# KiCad board V1.1_XT30_version.kicad_pcb (continued)
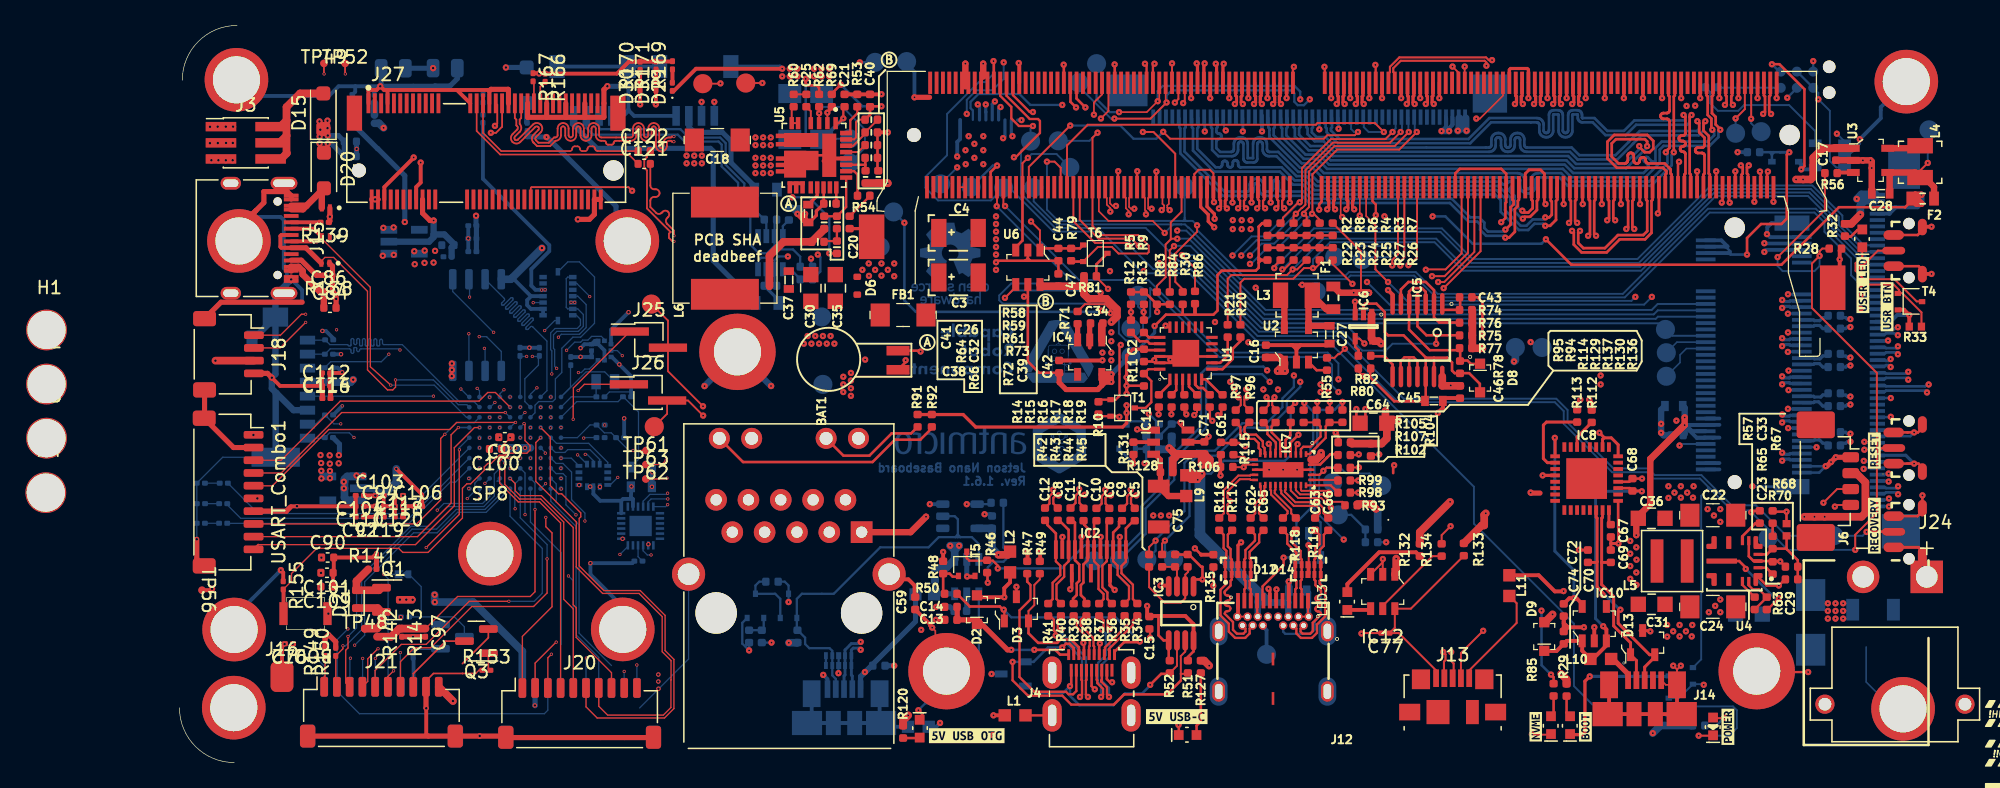
[diagram p0: board, top side]
## Routing (per net, layer and track width the routed paths; a pad name or vN(x,y) marks a point on that pad's centre or on a via; arc(x,y) is an arc through that point) (continued)
/NextPx4/SDMMC1_CK: length 15.3
  In3_SIGNAL.Cu w0.1: v4(24.37,27.12) 24.37,27.55 24.01,27.92 21.92,27.92 21.05,28.79 v4(19.95,28.79)
  Bottom w0.1: v4(19.95,28.79) J23.5
/NextPx4/SDMMC1_CMD: length 18.2
  In3_SIGNAL.Cu w0.1: v4(25.17,27.93) 25.17,28.43 23.78,29.82 21,29.82 17.98,32.84 17.15,32.84 16.45,32.14 v4(16.45,32.08)
  Bottom w0.1: v4(16.45,32.08) 15.86,31.49 11.88,31.49 R163.1 11.38,30.99 J23.3
/NextPx4/SDMMC1_D0: length 18.9
  In3_SIGNAL.Cu w0.1: v4(23.57,24.72) 23.24,25.05 23.24,25.09 16.55,25.09 arc(16.47,25.05) 16.44,24.97 16.44,24.74 arc(16.4,24.66) 16.33,24.63 arc(16.25,24.66) 16.21,24.74 16.21,24.97 arc(16.18,25.05) 16.1,25.09 arc(16.02,25.05) 15.99,24.97 15.99,24.74 arc(15.95,24.66) 15.88,24.63 arc(15.8,24.66) 15.76,24.74 15.76,24.97 arc(15.73,25.05) 15.65,25.09 arc(15.57,25.05) 15.54,24.97 15.54,24.74 arc(15.5,24.66) 15.43,24.63 arc(15.35,24.66) 15.31,24.74 15.31,24.97 arc(15.28,25.05) 15.2,25.09 arc(15.12,25.05) 15.09,24.97 15.09,24.74 arc(15.05,24.66) 14.98,24.63 arc(14.9,24.66) 14.86,24.74 14.86,24.97 arc(14.83,25.05) 14.75,25.09 arc(14.67,25.05) 14.64,24.97 14.64,24.74 arc(14.6,24.66) 14.53,24.63 arc(14.45,24.66) 14.41,24.74 14.41,24.97 arc(14.38,25.05) 14.3,25.09 13.56,25.09 12.67,25.98 v4(12.67,26.61)
  Bottom w0.1: J23.7 10.71,26.59 R164.1 12.13,26.61 v4(12.67,26.61)
/NextPx4/SDMMC1_D1: length 18.2
  In3_SIGNAL.Cu w0.1: v4(13.71,25.54) 13.94,25.31 17,25.31 arc(17.08,25.34) 17.11,25.42 17.11,25.65 arc(17.15,25.73) 17.23,25.76 arc(17.3,25.73) 17.34,25.65 17.34,25.42 arc(17.37,25.34) 17.45,25.31 arc(17.53,25.34) 17.56,25.42 17.56,25.65 arc(17.6,25.73) 17.68,25.76 arc(17.75,25.73) 17.79,25.65 17.79,25.42 arc(17.82,25.34) 17.9,25.31 arc(17.98,25.34) 18.01,25.42 18.01,25.65 arc(18.05,25.73) 18.12,25.76 arc(18.2,25.73) 18.24,25.65 18.24,25.42 arc(18.27,25.34) 18.35,25.31 arc(18.43,25.34) 18.46,25.42 18.46,25.65 arc(18.5,25.73) 18.58,25.76 arc(18.65,25.73) 18.69,25.65 18.69,25.42 arc(18.72,25.34) 18.8,25.31 arc(18.88,25.34) 18.91,25.42 18.91,25.65 arc(18.95,25.73) 19.03,25.76 arc(19.1,25.73) 19.14,25.65 19.14,25.42 arc(19.17,25.34) 19.25,25.31 arc(19.33,25.34) 19.36,25.42 19.36,25.65 arc(19.4,25.73) 19.48,25.76 arc(19.55,25.73) 19.59,25.65 19.59,25.42 arc(19.62,25.34) 19.7,25.31 23.39,25.31 v4(23.57,25.5)
  Bottom w0.1: J23.8 11.38,25.49 R165.1 11.8,25.91 13.35,25.91 v4(13.71,25.54)
/NextPx4/SDMMC1_D2: length 21.3
  Bottom w0.1: U22.B9 23.15,28.34 22,28.34 17.51,32.84 16.06,32.84 arc(15.98,32.87) 15.95,32.95 15.95,33.14 arc(15.92,33.22) 15.84,33.26 arc(15.76,33.22) 15.73,33.14 15.73,32.79 arc(15.71,32.75) 15.68,32.74 15.55,32.74 arc(15.51,32.75) 15.5,32.79 15.5,33.18 arc(15.47,33.26) 15.39,33.3 arc(15.31,33.26) 15.28,33.18 15.28,32.79 arc(15.26,32.75) 15.23,32.74 15.1,32.74 arc(15.06,32.75) 15.05,32.79 15.05,33.19 arc(15.02,33.27) 14.94,33.31 arc(14.86,33.27) 14.83,33.19 14.83,32.79 arc(14.81,32.75) 14.78,32.74 14.65,32.74 arc(14.61,32.75) 14.6,32.79 14.6,33.2 arc(14.57,33.28) 14.49,33.31 arc(14.41,33.28) 14.38,33.2 14.38,32.79 arc(14.36,32.75) 14.33,32.74 14.2,32.74 arc(14.16,32.75) 14.15,32.79 14.15,33.2 arc(14.12,33.28) 14.04,33.31 arc(13.96,33.28) 13.93,33.2 13.93,32.95 arc(13.89,32.87) 13.81,32.84 arc(13.73,32.87) 13.7,32.95 13.7,33.2 arc(13.67,33.28) 13.59,33.31 arc(13.51,33.28) 13.48,33.2 13.48,32.79 arc(13.46,32.75) 13.43,32.74 13.3,32.74 arc(13.26,32.75) 13.25,32.79 arc(13.24,32.82) 13.2,32.84 11.82,32.84 R161.1 11.42,33.19 J23.1
/NextPx4/SDMMC1_D3: length 18.2
  In3_SIGNAL.Cu w0.1: v4(24.78,28.29) 22.13,28.29 18.01,32.41 v4(17.32,32.41)
  Bottom w0.1: v4(17.32,32.41) 17.23,32.51 14.26,32.51 arc(14.18,32.47) 14.15,32.4 arc(14.12,32.32) 14.04,32.29 14.03,32.29 arc(13.95,32.32) 13.92,32.4 13.92,32.56 arc(13.91,32.59) 13.87,32.61 13.75,32.61 arc(13.71,32.59) 13.7,32.56 13.7,32.26 arc(13.66,32.18) 13.59,32.14 arc(13.51,32.18) 13.47,32.26 13.47,32.39 arc(13.44,32.47) 13.36,32.51 11.85,32.51 R162.1 11.41,32.09 J23.2 ; U22.B8 24.41,27.92 v4(24.78,28.29)
/NextPx4/SPI1_MISO: length 12.8
  In3_SIGNAL.Cu w0.1: v4(28.37,22.32) 28.37,21.63 29.93,20.08 31.78,20.08 35.55,16.31 v4(37.05,16.31)
  Bottom w0.1: v4(37.05,16.31) 36.75,16.31 36.43,16.64 U26.9
/NextPx4/SPI1_MOSI: length 12.2
  In3_SIGNAL.Cu w0.1: v4(28.76,21.91) 28.76,21.56 30.02,20.3 38.31,20.3 v4(38.35,20.26)
  Bottom w0.1: U26.24 38.2,20.11 v4(38.35,20.26) ; U22.K3 v4(28.76,21.91)
/NextPx4/SPI1_SCK: length 13.4
  In3_SIGNAL.Cu w0.1: v4(38.36,20.71) 30.18,20.71 29.14,21.75 29.14,22.36 v4(28.37,23.12)
  Bottom w0.1: U26.23 36.83,20.49 37.05,20.71 v4(38.36,20.71)
/NextPx4/SPI2_MISO: length 5.6
  Bottom w0.1: U22.E2 29.61,25.08 32.15,25.08 33.65,23.59 U24.1
/NextPx4/SPI2_MOSI: length 4.8
  Bottom w0.1: U24.14 33.02,23.81 32.24,24.59 30.5,24.59 30.28,24.36 29.53,24.36 U22.F2
/NextPx4/SPI2_SCK: length 10
  In3_SIGNAL.Cu w0.1: 31.94,24.21 v4(31.88,24.21) 31.77,24.21 31.44,24.55 31.12,24.55 30.97,24.39 30.19,24.39 30.14,24.35 29.24,24.35 28.48,25.1 25.87,25.1 25.54,25.44 25.54,26.76 v4(25.17,27.12)
  Bottom w0.1: U24.13 32.52,23.72 32.02,24.21 v4(31.88,24.21)
/NextPx4/SPI3_MISO: length 15.3
  In3_SIGNAL.Cu w0.1: v4(25.97,28.72) 28.16,30.91 29.56,30.91 v4(29.63,30.97)
  Bottom w0.1: 30.89,38.14 30.5,38.14 30.38,38.02 30.38,35.76 30.5,35.64 31.29,35.64 31.73,35.21 31.73,34.27 31.33,33.88 29.65,33.88 29.39,33.61 29.39,32.53 29.48,32.44 29.48,31.13 v4(29.63,30.97)
/NextPx4/SPI3_MOSI: length 11.9
  In3_SIGNAL.Cu w0.1: v4(29.25,30.53) 29.25,30.52 28.55,29.82 27.92,29.82 27.15,29.04 v4(27.14,27.5) 27.15,27.5
  Bottom w0.1: v4(27.14,27.5) 26.77,27.13 U22.C5 ; 30.89,35.14 31.18,35.14 31.5,34.82 31.5,34.36 31.24,34.1 29.5,34.1 29.16,33.76 29.16,32.44 29.25,32.35 v4(29.25,30.53)
/NextPx4/SPI3_SCK: length 9
  In3_SIGNAL.Cu w0.1: v4(28.69,33.94) 26.97,33.94 26.05,33.02 26.05,29.85 v4(25.49,29.29)
  Bottom w0.1: v4(28.69,33.94) 29.48,34.73 U25.8 ; U22.A7 25.17,28.97 v4(25.49,29.29)
/NextPx4/SPI4_MISO: length 37.4
  Top w0.1: J20.6 31.94,4.38 32.81,3.5 38.1,3.5 38.84,4.24 38.84,8.1 38.15,8.8 38.15,11.56 36.2,13.51 33.34,13.51 31.41,15.45 31.41,19.18 31.53,19.3 31.53,19.62 30.03,21.11 29.78,21.11 29.14,21.75 29.14,25.56 v4(28.37,26.32)
/NextPx4/SPI4_MOSI: length 35.1
  Top w0.1: J20.7 32.94,4.43 33.64,3.73 38.01,3.73 38.61,4.33 38.61,6.49 38.62,6.5 38.62,8.01 37.92,8.71 37.92,11.47 36.11,13.29 33.25,13.29 31.18,15.35 31.18,18.9 28,22.08 28,25.15 v4(28.37,25.52)
/NextPx4/SPI4_SCK: length 20.7
  Top w0.1: v4(25.97,22.32) 26.38,21.91 26.38,21.35 26.76,20.97 28.43,20.97 30.94,18.47 30.94,12.4 31.17,12.17 31.17,9.84 33.94,7.06 J20.8
/NextPx4/SWDIO: length 27.4
  Top w0.1: v4(38.31,22.35) 38.24,22.28 TP62.1
  In5_3V3_SYS_SIGNAL.Cu w0.1: v4(38.31,22.35) 38.89,22.93 38.89,29.68 38.52,30.04 22.8,30.04 v4(22.11,29.35)
  Bottom w0.1: U22.A10 22.73,28.72 v4(22.11,29.35)
/NextPx4/UART4_RX: length 35.5
  Top w0.1: J26.1 31.81,29.72 v4(31.32,29.23) ; J18.2 7.91,32.58 v4(9.91,34.58)
  In3_SIGNAL.Cu w0.1: v4(24.38,26.31) 23.99,25.92 21.68,25.92 13.01,34.59 9.92,34.59 v4(9.91,34.58)
  In5_3V3_SYS_SIGNAL.Cu w0.1: v4(24.38,26.31) 24.77,26.7 25.84,26.7 26.27,27.13 27.74,27.13 28.15,27.54 29.62,27.54 v4(31.32,29.23)
/NextPx4/UART4_TX: length 40.4
  Top w0.1: J25.1 30.95,29.43 30.95,28 30.93,27.98 v4(30.93,26.97) ; J18.1 7.88,33.58 7.91,33.55 9.58,35.22 v4(9.91,35.22)
  In3_SIGNAL.Cu w0.1: v4(9.91,35.22) 12.71,35.22 20.42,27.51 23.17,27.51 24,26.69 24.54,26.69 24.76,26.47 24.76,25.91 v4(24.37,25.52)
  In5_3V3_SYS_SIGNAL.Cu w0.1: v4(30.93,26.97) 30.93,26.76 30.09,25.92 24.77,25.92 v4(24.37,25.52)
/NextPx4/UART5_RX: length 21.4
  In3_SIGNAL.Cu w0.1: v4(16.05,14.79) 16.05,16.02 18.76,18.73 19.15,18.73 v4(20.25,19.83)
  Bottom w0.1: v4(20.25,19.83) 20.77,20.35 23.81,20.35 24.37,20.91 U22.K8 ; U23.2 v4(16.05,14.79) 16.39,14.45 16.39,6.74
/NextPx4/UART5_TX: length 28.9
  In3_SIGNAL.Cu w0.1: v4(24,21.94) 24,20.58 24.2,20.38 28.3,20.38 29.32,19.36 29.32,14.52 23.62,8.82 17.53,8.82 v4(17.35,8.64)
  Bottom w0.1: 24.37,22.31 v4(24,21.94) ; v4(17.35,8.64) 17.35,6.77
  Bottom w0.125: U22.J8 24.37,22.31 ; 17.35,6 J17.4
/NextPx4/UART7_RX: length 27.3
  In3_SIGNAL.Cu w0.1: v4(27.15,19.48) 28.17,18.46 28.17,14.12 23.47,9.43 18.16,9.43 18.06,9.53 15.74,9.53 v4(14.39,8.18)
  Bottom w0.1: 14.39,8.18 14.39,6.74 ; 27.14,19.48 27.14,22.75 U22.H5
  Bottom w0.125: v4(14.39,8.18) 14.39,8.18 ; v4(27.15,19.48) 27.14,19.48
/NextPx4/UART7_TX: length 26.8
  In3_SIGNAL.Cu w0.1: v4(15.39,8.18) 16.32,9.11 23.51,9.11 28.42,14.02 28.42,18.84 27.32,19.94 v4(26.37,19.94)
  Bottom w0.1: U22.J5 26.34,21.89 26.34,19.97 ; 15.39,6.74 15.39,8.18
  Bottom w0.125: v4(26.37,19.94) 26.34,19.97 ; 15.39,8.18 v4(15.39,8.18)
/NextPx4/USART1_CK: length 24.4
  Top w0.1: 6.19,17.12 18.54,17.12 21.59,20.17 21.59,24.74 23.17,26.32 v4(23.58,26.32)
  Top w0.15: USART_Combo1.10 6.19,17.12
  Bottom w0.125: 23.57,26.34 v4(23.58,26.32) U22.D9
/NextPx4/USART1_RX: length 23.6
  Top w0.1: USART_Combo1.9 18.7,17.75 21.34,20.39 21.34,25.75 v4(21.91,26.32)
  Bottom w0.125: v4(21.91,26.32) 21.91,26.32 U22.D10
/NextPx4/USART1_TX: length 24.1
  Top w0.1: USART_Combo1.8 18.64,18.75 20.52,20.63 20.52,25.46 v4(20.85,25.79)
  Bottom w0.1: v4(20.85,25.79) 21.75,26.7 23.15,26.7 U22.C9
  Bottom w0.125: U22.C9 23.57,27.14
/NextPx4/USART2_CK: length 23.2
  Top w0.1: v4(26.4,26.72) 21.78,26.72 21.22,26.17 11.73,26.17 7.3,21.74 6.06,21.74 6.05,21.75 USART_Combo1.5
  Bottom w0.1: U22.D6 26.37,26.72 v4(26.4,26.72)
/NextPx4/USART2_RX: length 22.3
  Top w0.1: v4(25.6,27.5) 12.74,27.5 7.99,22.75 USART_Combo1.4
  Bottom w0.1: U22.C6 v4(25.6,27.5)
/NextPx4/USART2_TX: length 22.8
  Top w0.1: USART_Combo1.3 7.99,23.75 12.63,28.4 23.53,28.4 24.21,29.08 24.82,29.08 v4(25.97,27.92)
/NextPx4/USART3_CK: length 24.7
  In3_SIGNAL.Cu w0.1: 15.31,16.84 19.6,21.13 22.89,21.13 23.17,21.41 23.17,22.72 v4(23.57,23.12) ; 15.05,16.58 15.05,12.94 12.79,10.68 12.79,10.38 v4(10.68,8.27)
  In3_SIGNAL.Cu w0.125: 15.31,16.84 15.31,16.84 15.05,16.58
  Bottom w0.1: v4(10.68,8.27) 11.39,7.56 11.39,6.79
  Bottom w0.125: J17.10 11.39,6.79
/NextPx4/USART3_RX: length 41
  In3_SIGNAL.Cu w0.1: v4(22.61,20.74) 20.42,20.74 15.53,15.85 15.53,12.8 v4(13.23,10.5)
  Bottom w0.1: v4(22.61,20.74) 23.2,21.33 23.2,21.95 U22.J9 ; v4(13.23,10.5) 12.39,9.66 12.39,6.74 ; J17.9 12.39,5.59 14.14,3.84 28.66,3.84 28.94,4.11 J19.8
/NextPx4/USART3_TX: length 19.6
  In3_SIGNAL.Cu w0.1: v4(13.43,8.2) 16.72,11.49 16.72,14.87 21.7,19.85 22.78,19.85 23.57,20.64
  In3_SIGNAL.Cu w0.125: v4(23.57,20.74) 23.57,20.64
  Bottom w0.1: v4(23.57,20.74) U22.K9 ; 13.39,6.74 13.39,8.16
  Bottom w0.125: 13.39,8.16 v4(13.43,8.2)
/NextPx4/USB_OTG_FS_DM: length 26.4
  Top w0.1: v4(16.6,29.65) 15,31.1 15,37.34 11.17,41.16 D17.2
  Top w0.3: J15.A7 10.81,40.94 D17.2 10.54,41.94 J15.B7
  Bottom w0.1: U22.C10 22.55,27.12 20.02,29.65 v4(16.6,29.65)
/NextPx4/USB_OTG_FS_DP: length 26.9
  Top w0.1: v4(16.97,30.06) 16.98,30.06 16.98,29.49 16.76,29.28 16.35,29.28 14.77,30.85 14.77,37.02 12.11,39.68 11.42,39.68 11.15,39.41 D19.2
  Top w0.3: J15.B6 8,40.44 7.93,40.52 7.93,41.37 8,41.44 J15.A6
  Top w0.4: D19.2 9.93,40.44 J15.B6
  Bottom w0.1: U22.B10 22.58,28.12 21.91,28.12 20.3,29.72 20.29,29.72 19.95,30.06 v4(16.97,30.06)
/SoM/PMIC_BBAT: length 29.8
  Top w0.18: v1(65.56,47.55) 65.69,47.55 67.6,49.46 67.6,50.41 67.45,50.56 66.8,50.56 64.98,52.38 M1.235
  Top w0.2: v1(58.22,32.29) 58.15,32.36 BAT1.+
  In3_SIGNAL.Cu w0.2: v1(58.22,32.29) 60.63,32.29 61.85,33.51 61.85,42.51 65.56,46.22 v1(65.56,47.55)
/Supply/\~{PWR_SET}: length 2.9
  Top w0.2: IC5.1 99.21,35.56 100.61,35.56 100.61,36.56
/Supply/FAN_PMW_5V: length 81.4
  Top w0.15: v1(130.05,20.11) 130.18,20.24 J6.4 ; v1(64.85,36.51) 65.7,37.36 U6.4
  In3_SIGNAL.Cu w0.15: v1(111.65,29.71) 112.25,29.11 118.15,29.11 127.4,19.86 129.8,19.86 v1(130.05,20.11)
  In5_3V3_SYS_SIGNAL.Cu w0.125: v1(111.65,29.71) 107.15,34.21 90.55,34.21 90,34.76 90,39.26 88.65,40.61 82.35,40.61 78.3,36.56 72.72,36.56 v1(72.37,36.91)
  Bottom w0.15: v1(72.37,36.91) 72.19,37.09 65.43,37.09 v1(64.85,36.51)
/Supply/FAN_TACH_5V: length 75
  Top w0.15: J6.3 130.23,21.49 v1(129.15,20.41) ; v1(72.95,37.21) 72.03,38.13 R81.1
  Top w0.2: R81.1 72.03,39.15 T6.3
  In3_SIGNAL.Cu w0.15: v1(129.15,20.41) 127.35,20.41 118.35,29.41 112.65,29.41 v1(111.65,30.41)
  In5_3V3_SYS_SIGNAL.Cu w0.125: v1(72.95,37.21) 78.4,37.21 82.1,40.91 88.75,40.91 90.3,39.36 90.3,34.91 90.7,34.51 107.25,34.51 111.35,30.41 v1(111.65,30.41)
/Supply/Q: length 12.9
  Top w0.2: IC5.3 97.91,36.98 97.61,37.27 96.88,37.27 96.6,36.99 96.6,36.04 IC5.5 96.6,36.02 96.6,34.02 98.22,32.4 100.44,32.4 100.61,32.57 100.61,31.58 100.64,31.55 100.66,31.58 101.19,31.58 101.46,31.32 102.16,31.32
/Supply/QDEL: length 24.9
  Top w0.2: 97.91,31.82 96.17,33.56 94.95,33.56 94.69,33.82 94.69,35.39 94.03,36.05 93.17,36.05 93.02,35.9 IC6.2 ; 97.91,31.82 IC5.12 97.91,28.65 97.64,28.38 95.43,28.38 93.55,30.26 93.55,30.87 93.57,30.9 ; 97.91,31.82 97.92,31.81 98.56,31.81 ; IC5.13 98.56,31.81 ; 98.56,31.81 99.6,31.81 99.98,31.43 99.98,30.79 100.18,30.59 101.32,30.59 102.16,29.75 102.16,29.21
/Supply/VDRV_5V_DCDC: length 1.6
  Top w0.25: 49.4,43.84 50.1,44.54 50.1,45.19
/USB/C_CC1: length 21.8
  Top w0.18: v1(90.37,28.33) 90.37,27.71 90.35,27.68 ; v1(88.37,28.25) 88.37,27.73 88.32,27.68 ; J12.A5 85.09,12.78 85.09,13.84 86.74,15.49 v1(86.74,16.1)
  In2.Cu w0.18: v1(90.37,28.33) 89.75,27.7 88.92,27.7 v1(88.37,28.25)
  Bottom w0.18: v1(86.74,16.1) 86.75,16.11 D11.2 87.75,18.86 88.85,19.96 88.85,24.72 89.07,24.94 89.07,27.55 v1(88.37,28.25)
/USB/C_CC2: length 25.5
  Top w0.2: v1(89.38,28.33) 89.38,27.73 89.33,27.68 ; 91.36,27.69 v1(91.36,28.33)
  Bottom w0.18: 89.42,19.09 89.65,18.86 D11.1 89.65,11.56 89.2,11.11 89.2,10.46 88.85,10.11 86.87,10.11 86.71,10.27 J12.B5
  Bottom w0.2: 89.64,27.7 90.74,27.7 v1(91.36,28.33) ; 89.64,27.7 89.51,27.7 89.38,27.58 ; 89.64,27.7 89.52,27.7 89.38,27.84 ; 89.38,27.84 v1(89.38,28.33) ; 89.38,27.84 89.38,27.58 ; 89.38,27.58 89.38,24.81 89.16,24.59 89.16,19.35 89.42,19.09
/USB/C_USBSS_RX1_N: length 11.4
  Top w0.182: J12.B10 84.08,10.53 84.08,10.14 83.73,9.79 82.93,9.79 82.43,10.29 82.43,10.91 81.78,11.56 81.78,13.58 82.24,14.04 82.24,14.28 82.16,14.36 82.16,15.96 82.24,16.04 82.24,16.63 82.03,16.85 82.03,17.9 R116.2
/USB/C_USBSS_RX1_P: length 11.4
  Top w0.182: J12.B11 83.74,10.53 83.74,10.28 83.59,10.13 83.07,10.13 82.77,10.43 82.77,11.04 82.12,11.69 arc(82.18,11.84) 82.32,11.9 82.36,11.9 arc(82.51,11.96) 82.57,12.1 arc(82.51,12.24) 82.36,12.3 82.32,12.3 arc(82.18,12.36) 82.12,12.51 arc(82.18,12.65) 82.32,12.71 82.36,12.71 arc(82.51,12.77) 82.57,12.91 arc(82.51,13.06) 82.36,13.12 82.32,13.12 arc(82.18,13.18) 82.12,13.32 82.12,13.44 82.58,13.9 82.58,14.28 82.66,14.36 82.66,15.96 82.58,16.04 82.58,16.77 82.36,16.99 82.36,17.9 R117.2
/USB/C_USBSS_RX2_N: length 6.1
  Top w0.182: R118.2 87.03,17.91 87.03,17.2 87.74,16.48 87.74,16.04 87.66,15.96 87.66,14.36 87.74,14.28 87.74,13.7 87.66,13.62 J12.A10
/USB/C_USBSS_RX2_P: length 6.1
  Top w0.182: R119.2 87.36,17.91 87.36,17.33 88.08,16.62 88.08,16.04 88.16,15.96 88.16,14.36 88.08,14.28 88.08,13.7 88.16,13.62 J12.A11
/USB/C_USBSS_RX6_N: length 3.7
  Top w0.182: R97.2 83.35,26.35 83.35,25.83 83.75,25.43 84.45,25.43 84.78,25.09 84.78,24.71 84.92,24.57 84.92,24.25 IC7.10
/USB/C_USBSS_RX6_P: length 3.8
  Top w0.182: R96.2 83.68,26.35 83.68,25.97 83.88,25.76 84.58,25.76 85.11,25.23 85.11,24.85 85.25,24.7 85.25,24.25 IC7.9
/USB/C_USBSS_TX1_N: length 6.1
  Top w0.182: C65.1 84.82,17.9 84.82,17.3 84.08,16.55 84.08,16.04 84.16,15.96 84.16,14.36 84.08,14.28 84.08,13.7 84.16,13.62 J12.A3
/USB/C_USBSS_TX1_P: length 6.1
  Top w0.182: C62.1 84.49,17.9 84.49,17.44 83.74,16.69 83.74,16.04 83.66,15.96 83.66,14.36 83.74,14.28 83.74,13.7 83.66,13.62 J12.A2
/USB/C_USBSS_TX2_N: length 11.5
  Top w0.182: J12.B3 87.74,10.53 87.74,10.14 88.09,9.79 88.97,9.79 89.37,10.19 89.37,10.84 90.02,11.49 90.02,13.63 89.58,14.07 89.58,14.28 89.66,14.36 89.66,15.96 89.58,16.04 89.58,16.7 89.9,17.02 89.9,17.89 C66.1
/USB/C_USBSS_TX2_P: length 11.5
  Top w0.182: J12.B2 88.08,10.53 88.08,10.28 88.23,10.13 88.83,10.13 89.03,10.33 89.03,10.98 89.68,11.63 89.68,11.67 arc(89.62,11.81) 89.48,11.87 89.44,11.87 arc(89.29,11.93) 89.23,12.07 arc(89.29,12.22) 89.44,12.28 89.48,12.28 arc(89.62,12.34) 89.68,12.48 arc(89.62,12.62) 89.48,12.68 89.44,12.68 arc(89.29,12.74) 89.23,12.89 arc(89.29,13.03) 89.44,13.09 89.48,13.09 arc(89.62,13.15) 89.68,13.29 89.68,13.49 89.24,13.93 89.24,14.28 89.16,14.36 89.16,15.96 89.24,16.04 89.24,16.84 89.57,17.16 89.57,17.89 C63.1
/USB/C_USBSS_TX6_N: length 2.9
  Top w0.182: R95.2 85.47,26.4 85.47,25.81 86.14,25.14 86.14,25.05 86.14,25.05 86.14,24.62 86.1,24.58 IC7.7
/USB/C_USBSS_TX6_P: length 2.9
  Top w0.182: IC7.6 86.5,24.58 86.47,24.61 86.47,25.28 85.8,25.94 85.8,26.4 R94.2
/USB/CC1: length 5.1
  Top w0.15: IC7.2 88.1,24.64 ; 88.32,26.72 89.33,26.72
  Top w0.18: R137.2 89.64,26.41 89.64,25.61 88.85,24.81 88.29,24.81 88.1,24.62 IC7.2
/USB/CC2: length 4.4
  Top w0.15: 91.36,26.73 91.36,26.72 90.35,26.72
  Top w0.18: IC7.1 88.77,24.23 90.05,25.51 90.05,26.42 R130.1
/USB/DBG_USB_D_N: length 15.3
  Top w0.23: 111.73,15.73 111.73,13.98 112.67,13.04 112.67,10.74 114,9.41 D13.1 114.46,8.01 J14.2 ; 111.73,15.73 111.73,19.2 111.8,19.27 111.8,19.84 ; 111.73,15.73 111.73,15.73 C69.2
/USB/DBG_USB_D_P: length 16.8
  Top w0.23: 111.37,15.79 111.37,19.2 111.3,19.27 111.3,19.84 ; 111.37,15.79 111.31,15.73 C70.2 ; 111.37,15.79 111.37,13.79 111.39,13.79 111.81,13.36 v1(111.81,13.17) ; 113.15,12.01 113.03,11.89 113.03,10.94 115.5,8.47 D13.2 115.9,8.29 115.11,7.5 J14.3
  Bottom w0.23: 113.15,12.01 111.99,13.17 v1(111.81,13.17)
  vias: v1(113.2,12.01)
/USB/EN_MUX: length 12
  Top w0.15: 92.6,23.2 92.58,23.18 91.98,23.18 ; IC7.12 83.81,23.4 v1(83.61,23.2) 82.88,23.2
  In2.Cu w0.15: v1(92.66,23.18) 92.23,23.61 89.05,23.61 88.75,23.91 84.31,23.91 v1(83.61,23.2)
/USB/OTG_USB_ID: length 30.3
  Bottom w0.18: 61.15,17.91 61.15,19.11 60.91,19.35 U8.2 ; 61.15,17.91 61.35,17.71 ; 61.15,17.91 60.95,17.71 ; 61.15,17.91 61.15,17.71 ; 61.35,17.71 62.25,17.71 62.8,17.16 IC9.3 ; 61.35,17.71 61.15,17.71 ; 60.95,17.71 59.65,17.71 58.85,16.91 55.05,16.91 51.4,13.26 48.9,13.26 48.5,12.86 T7.1 48.5,10.45 R108.1 ; 60.95,17.71 61.15,17.71 ; R108.1 48.56,10.4 49.15,9.81 49.15,9.31 49.48,8.99 51.08,8.99 51.28,8.78 D10.4 51.28,6.85 51.56,6.58 J11.4 ; R108.1 48.53,10.4
/USB/OTG_USB_VBUS: length 27.6
  In5_3V3_SYS_SIGNAL.Cu w0.18: v1(46.51,9.43) 47.14,9.43 50.25,6.31 53.05,6.31 v1(53.85,7.11)
  Bottom w0.18: v1(46.51,9.43) R110.1
  Bottom w0.3: 57.83,11.09 v1(53.85,7.11) 53.97,7.11 C73.2 53.51,6.65 J11.1
  Bottom w0.4: J11.1 53.51,6.77 57.83,11.09 L7.2
/USB/USB2_VBUS: length 14.7
  Top w0.15: R133.2 96.74,12.09 IC12.6 95.48,10.59 C77.1 95.79,10.17 98.72,7.24 J13.1
/USB/USB_DBG_VBUS: length 2.3
  Top w0.4: L10.1 112.62,8.14 113.81,6.95 J14.1
/USB/USBC_ADDR: length 8.6
  Top w0.15: v1(90.45,20.04) 89.7,20.79 87.89,20.79 87.3,21.37 IC7.22
  Bottom w0.18: TP44.1 92.05,19.46 93.17,18.35 93.17,17.31
  Bottom w0.2: v1(90.45,20.04) 90.47,20.04 TP44.1
/USB/USBC_FAULT: length 3.6
  Top w0.15: v1(90.3,21.21) 90.16,21.35 88.16,21.35 88.1,21.4 IC7.24
  Bottom w0.18: v1(90.3,21.21) 90.3,21.61 90.6,21.91 TP46.1
/USB/USBC_ID: length 43.5
  Top w0.18: 91.02,23.16 90.11,23.16 v1(89.87,22.92) 89.55,22.6 IC7.27
  In5_3V3_SYS_SIGNAL.Cu w0.18: v1(91.47,17.52) 91.16,17.83 87.05,17.83 82.32,13.1 79.38,13.1 78.31,14.17 78.31,21.03 v1(75.82,23.52)
  Bottom w0.15: TP45.1 93.5,22.71 91.65,22.71 91.15,23.21 90.16,23.21 v1(89.87,22.92) 89.54,22.59 89.54,19.45 v1(91.47,17.52)
  Bottom w0.18: R123.1 75.95,25.11 ; 75.95,25.11 75.95,24.7 ; 75.95,25.11 75.95,23.65 v1(75.82,23.52)
  Bottom w0.2: T9.1 75.92,24.66 75.95,24.7
/USB/USBC_INTN: length 4.7
  Top w0.15: 91.57,20.29 91.37,20.49 90.39,20.49 89.81,21.07 88.04,21.07 87.7,21.4 IC7.23
/USB/USBC_SCL: length 2.1
  Top w0.18: IC7.26 90.97,22.2 91.02,22.16
/USB/USBC_SDA: length 2.7
  Top w0.18: IC7.25 90.45,21.78 91.02,21.21
/USB/USBC_VBUS: length 60.2
  Top w0.15: 81.23,15.37 81.23,13.9 v1(81.22,13.89)
  Top w0.18: J12.A4 84.66,11.52 J12.B9 ; v1(87.65,28.26) 87.3,27.91 R114.2
  Top w0.3: 87.28,27.71 87.3,27.68 ; J12.A9 87.15,12.73 v1(87.15,14.22)
  Top w0.5: L9.2 79.14,22.62 80.17,22.62 80.24,22.54 ; L9.2 79.23,22.7 v1(80.34,22.7) 80.34,22.6 79.98,22.25 ; L9.2 79.45,22.21 v1(80,22.21)
  In3_SIGNAL.Cu w0.15: v1(81.22,13.89) 81.22,12.84 81.85,12.21 84.37,12.21 84.71,11.87 J12.B9
  Bottom w0.18: v1(87.65,28.26) 87.3,27.91 87.3,24.16 86.85,23.71 82.05,23.71 81.04,22.7 v1(80.34,22.7)
  Bottom w0.5: J12.B4 87.11,12.57 ; 87.11,12.57 87.11,13.47 C78.2 87.15,14.22 v1(87.15,14.22) ; 87.11,12.57 86.06,12.57 ; J12.B9 84.71,12.57 ; 84.71,12.57 84.71,12.67 ; 84.71,12.57 86.06,12.57 ; 84.71,12.67 85.36,12.67 ; 84.71,12.67 84.71,13.12 ; 80,18.31 80,17.83 80.46,17.37 ; 80,18.31 80,22.3 80.32,22.62 ; 80,18.31 85.5,12.81 ; 85.5,12.81 85.36,12.67 ; 85.5,12.81 85.74,12.57 86.06,12.57 ; 85.36,12.67 85.16,12.67 84.71,13.12 ; v1(80.34,22.7) 80.34,17.49 80.46,17.37 ; 84.71,13.12 80.46,17.37
/USB/USBSS_RX1_N: length 5.3
  Top w0.16: R116.1 82.05,19.58 82.05,21.41 83.18,22.55 84.11,22.55 84.16,22.6 IC7.14
/USB/USBSS_RX1_P: length 5.3
  Top w0.16: R117.1 82.34,19.58 82.34,20.25 arc(82.38,20.35) 82.48,20.39 82.55,20.39 arc(82.65,20.43) 82.69,20.53 arc(82.65,20.63) 82.55,20.67 82.48,20.67 arc(82.38,20.72) 82.34,20.82 82.34,21.29 83.3,22.26 84.11,22.26 84.16,22.2 IC7.15
/USB/USBSS_RX2_N: length 3.3
  Top w0.16: IC7.18 85.7,21.43 85.76,21.37 85.76,21.05 87.05,19.76 87.05,19.58 R118.1
/USB/USBSS_RX2_P: length 3.3
  Top w0.16: IC7.19 86.1,21.43 86.04,21.37 86.04,21.17 87.34,19.87 87.34,19.58 R119.1
/USB/USBSS_TX1_N: length 2.9
  Top w0.16: C65.2 84.8,19.58 84.8,20.21 85.23,20.64 85.23,21.73 IC7.17
/USB/USBSS_TX1_P: length 2.9
  Top w0.16: IC7.16 84.95,21.73 84.95,20.76 84.52,20.33 84.52,19.58 C62.2
/USB/USBSS_TX2_N: length 5
  Top w0.16: IC7.21 86.9,21.43 86.84,21.37 86.84,21.27 87.66,20.45 89.41,20.45 89.87,19.99 89.87,19.59 C66.2
/USB/USBSS_TX2_P: length 5
  Top w0.16: C63.2 89.59,19.59 89.59,19.87 89.29,20.17 87.54,20.17 86.56,21.15 86.56,21.37 86.5,21.43 IC7.20
/USB/~{OTG_USB_FAULT}: length 13.6
  Top w0.2: 58.35,3.6 58.35,3.81 v1(58.05,4.11)
  Bottom w0.18: v1(58.05,4.11) 58.6,4.66 61.8,4.66 62.8,5.66 IC9.4
/USB/~{USB2_FAULT}: length 1.9
  Top w0.15: 93.48,11.99 IC12.4
  Top w0.3: LED3.2 93.48,11.99
/Wifi Module/LED 1: length 24.9
  Top w0.3: J27.6 16.1,45.22 18.4,47.52 v1(18.4,47.54) ; D30.1 36.18,51.72 v1(36.19,51.71)
  In3_SIGNAL.Cu w0.3: v1(36.19,51.71) 22.57,51.71 v1(18.4,47.54)
/Wifi Module/LED 2: length 24.5
  Top w0.3: J27.16 18.6,45.22 18.95,45.57 v1(18.95,47.14) ; 37.43,52.82 37.43,51.72 v1(37.42,51.71)
  In3_SIGNAL.Cu w0.3: v1(37.42,51.71) 36.89,51.19 23,51.19 v1(18.95,47.14)
/Wifi Module/WAKE: length 1.8
  Top w0.125: R166.2 28.35,53.1 J27.55
\PEWAKE_3V3: length 56.2
  Top w0.15: 78.98,53.4 78.98,51.94 v1(78.85,51.81)
  In2.Cu w0.15: v1(78.39,41.79) 78.39,42.17 78.55,42.33 78.55,51.51 v1(78.85,51.81)
  Bottom w0.15: v1(78.39,41.79) 79.09,41.79 85.32,35.56 115.66,35.56 116.13,36.03 J7.54
CAN_RXD: length 54.7
  Top w0.18: v1(89.95,54.66) 89.98,54.63 M1.143
  In2.Cu w0.15: v1(49.61,39.59) 49.7,39.67 49.7,41.06 53.55,44.91 53.55,52.91 54.95,54.31 86.45,54.31 87.35,55.21 89.75,55.21 89.95,55.01 v1(89.95,54.66)
  Bottom w0.18: R88.2 49.61,39.08 v1(49.61,39.59)
CAN_TXD: length 52.4
  Top w0.18: v1(87.55,54.66) 87.48,54.59 M1.145
  In2.Cu w0.15: v1(50.15,39.91) 50.05,40.01 50.05,40.81 53.95,44.71 53.95,52.71 55.25,54.01 86.65,54.01 87.3,54.66 v1(87.55,54.66)
  Bottom w0.18: v1(50.15,39.91) 50.35,39.71 50.35,38.58 R87.2
Core_3V3: length 63.6
  Top w0.138: TP49.1 11.35,54.11 v4(11.36,54.1)
  Top w0.3: C117.2 C120.1 ; C118.1 v3(17.56,20.97) 17.56,20.15 v3(17.55,20.14) 18.42,20.14 C106.1 ; v3(11.12,14.9) C101.2 11.16,14.96 ; v3(15.39,20.97) 15.38,20.98 C104.1 ; v3(15.41,20.14) 15.4,20.13 C110.1 ; v3(15.41,20.14) 15.42,20.13 ; v3(15.41,20.14) 15.45,20.18 ; v3(12.78,30.66) 12.73,30.61 C116.1 ; C92.1 v3(15.42,19.3)
  Top w0.4: R150.2 12.28,9.49 v3(11.72,10.05) 11.44,9.77 R149.2 ; 11.84,30.59 11.84,30.59 C112.2 11.87,29.57 C114.2
  In5_3V3_SYS_SIGNAL.Cu w0.138: v4(12.34,34) 12.73,34.39 12.73,52.73 v4(11.36,54.1)
  Bottom w0.3: U27.10 32.64,33.13 U27.1 ; U27.10 32.9,32.87 33.39,32.38 U27.6 ; U27.10 31.82,32.87 v3(31.51,32.56) ; v3(12.69,32.08) R162.2 ; v3(12.78,30.66) 12.42,31.02 R163.2 ; R164.2 12.08,27.31 v4(12.79,28.02) ; R161.2 12.08,33.33 11.5,33.91 v3(11.23,33.91) ; U25.3 27.97,37.14 27.64,37.47 27.64,38.77 29.05,40.18 29.05,40.65 23.84,45.87 D22.2 ; R159.1 27.49,32.59 v3(27.49,32.59) 27.49,32.59 R160.1
  Bottom w0.4: 37.14,21.6 37.14,22.8 v3(37.15,22.81) 37.14,22.83 37.14,23.2 ; 26.38,24.72 v3(26.38,24.72) 26.37,24.72 ; R165.2 12.57,25.02 12.57,24.2 v2(12.52,24.15)
  Bottom w0.6: U22.F4 27.15,24.72 v3(27.15,24.73) 27.14,24.72 26.38,24.72 ; 26.37,24.72 25.94,24.72 v3(25.93,24.71) 25.92,24.72 25.59,24.72 U22.F7
  vias: v2(11.08,24.16) v2(11.13,23.53) v2(11.14,22.92) v2(11.15,22.32) v2(11.8,24.14) v2(11.81,23.48) v2(11.82,22.91) v2(11.82,22.34) v2(12.51,23.51) v3(11.1,13.81) v3(11.15,16.1) v3(11.7,11.7) v3(17.39,11.43) v3(31.4,21.8) v3(33.03,21.66) v3(34.81,17.58) v3(36.84,17.15) v3(37.12,21.67) v4(24.37,28.7) v4(28.45,37.12) v4(28.72,37.14) v4(29.17,27.94) v4(29.16,26.3) v4(29.97,23.13) v4(29.99,21.5) v4(30.76,36.16) v4(31.05,36.15) v4(33.41,26.52)
EGND: length 16.3
  Top w0.3: C59.1 57.75,13.05 57.75,13.91 57.27,14.39 55.79,14.39
  Bottom w0.1: J10.S 40,8.14 36.15,4.29 ; SP2.1 5.06,3.52
ENET_LED0: length 51.5
  Top w0.2: M1.194 75.23,46.44 v1(75.25,46.46)
  In5_3V3_SYS_SIGNAL.Cu w0.2: J10.13 46.59,27.11 53.85,27.11 55,25.96 61.45,25.96 63.1,27.61 63.1,44.46 63.95,45.31 74.9,45.31 75.23,45.64 75.23,46.44 v1(75.25,46.46)